# KiCad board reform2-motherboard25.kicad_pcb (continued)
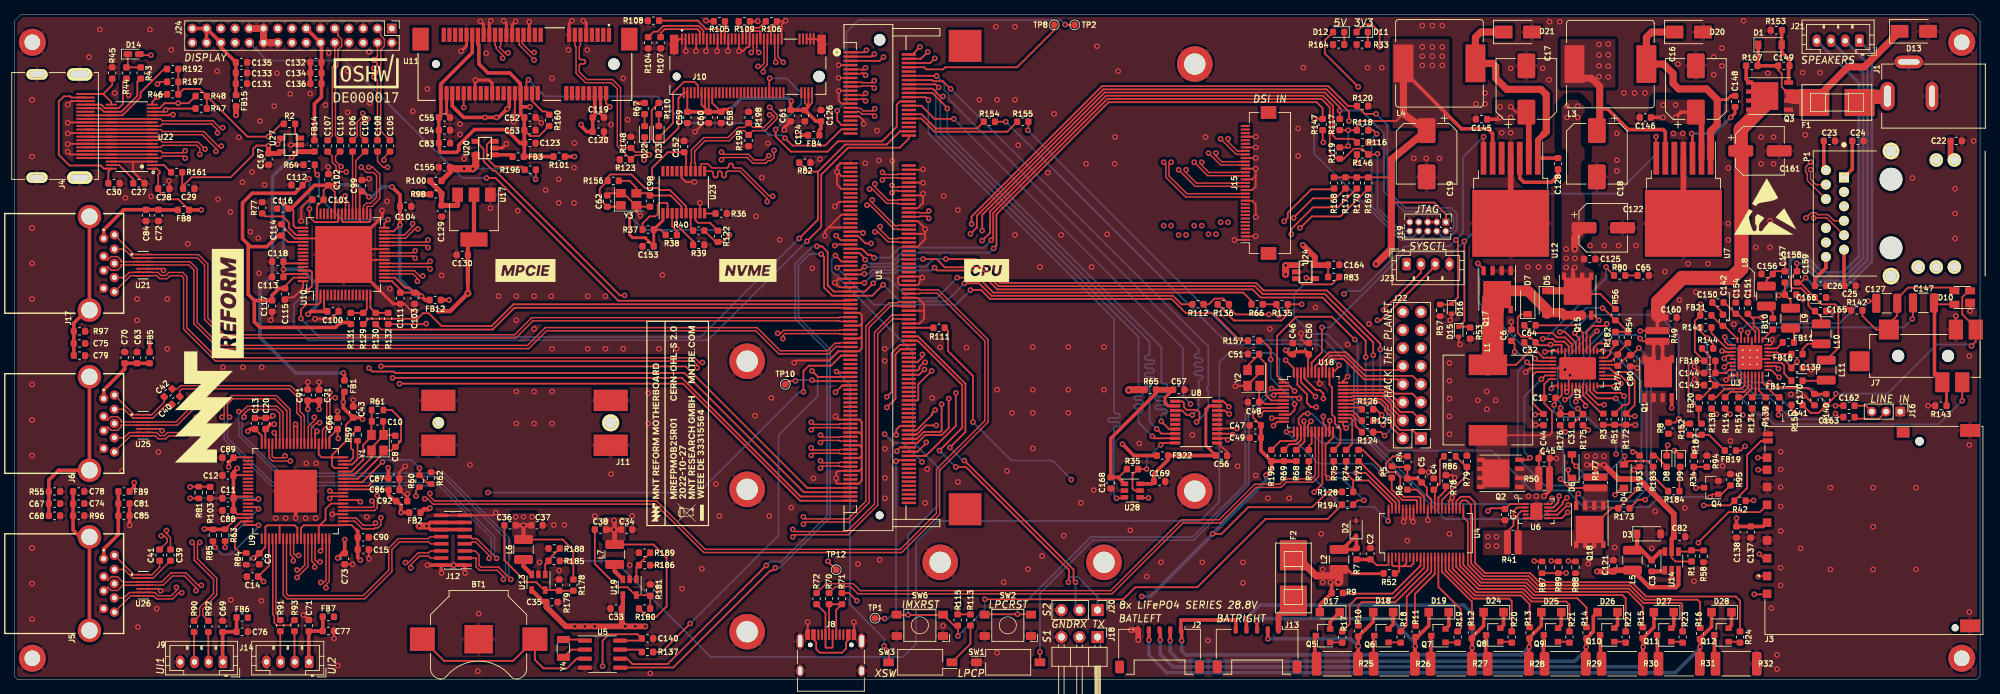
[diagram p0: board, top side]
## Routing (per net, layer and track width the routed paths; a pad name or vN(x,y) marks a point on that pad's centre or on a via; arc(x,y) is an arc through that point) (continued)
/Reform 2 Display/ML0N: length 8.8
  Top w0.2: U10.38 C106.2
/Reform 2 Display/ML0P: length 9.3
  Top w0.2: C109.2 47.95,72.91 47.95,65.5 U10.37
/Reform 2 Display/ML1N: length 14.3
  Top w0.2: v1(51.9,73) 51.9,73.36 C105.2 ; v1(45.73,67.23) 46.15,67.23 46.53,66.86 46.53,66.6 46.5,66.58 U10.40
  Signal.Cu w0.2: v1(45.73,67.23) 45.73,68.33 46.83,69.42 50.22,69.42 51.5,70.7 51.5,72.6 v1(51.9,73)
/Reform 2 Display/ML1P: length 14
  Top w0.2: v1(46.47,67.97) 46.47,67.55 46.97,67.04 46.97,66.6 47,66.58 U10.39 ; C108.2 51,72.83 51.83,72 v1(52.4,72)
  Signal.Cu w0.2: v1(46.47,67.97) 47.47,68.97 50.34,68.97 51.9,70.54 51.9,71.5 v1(52.4,72)
/Reform 2 PCIe/PCICLKGEN_XI: length 11.7
  Top w0.25: U23.5 93.68,66.53 92.16,68.04 C98.1 88.94,68.35 Y3.3 87.35,69.15 86.4,70.1 R156.2
/Reform 2 PCIe/PCICLKGEN_XO: length 21
  Top w0.25: U23.6 94.32,66.53 92.05,68.8 90.6,68.8 90.3,69.1 88.55,69.1 86.65,71 83.71,71 83.31,70.6 R156.1 82.2,68.99 82.2,67.51 C62.1 84.96,66.46 Y3.1
/Reform 2 PCIe/RCLKC_N: length 30.2
  Top w0.2: U23.13 95.62,72.54 95.53,72.64 95.53,74.26 96.99,75.72 100.39,75.72 101.82,77.15 102.49,77.15 R199.2 103.71,77.15 105.42,77.15 107.14,78.87 107.14,79.34 v1(106.05,80.42) ; J10.53 106.75,88.86 106.78,88.84 106.78,87.31 106.93,87.16 v1(106.93,86.75)
  Signal.Cu w0.2: v1(106.93,86.75) 107.22,86.45 107.22,80.24 107.11,80.12 106.35,80.12 v1(106.05,80.42)
/Reform 2 PCIe/RCLKC_P: length 30.2
  Top w0.2: U23.14 94.97,72.54 95.07,72.64 95.07,74.44 96.81,76.17 100.21,76.17 101.63,77.6 102.49,77.6 R198.2 103.71,77.6 105.23,77.6 106.69,79.05 106.69,79.15 106.46,79.37 v1(106.05,79.37) ; v1(107.97,86.75) 107.22,87.5 107.22,88.84 107.25,88.86 J10.55
  Signal.Cu w0.2: v1(106.05,79.37) 106.35,79.67 107.29,79.67 107.68,80.06 107.68,86.45 v1(107.97,86.75)
/Reform 2 Power/BAT1FUSED: length 50.5
  Top w0.25: U6.2 211,24.2 210.5,23.7 210.5,21.7 209.65,20.85 R41.1
  Top w0.4: 187.2,15.5 187.8,14.9 192.21,14.9 R52.2
  Top w0.5: D17.2 183.3,10.54 R9.1 184.96,13.64 ; 183.76,13.64 v1(183.7,13.7)
  Top w1: F2.1 179.91,17.49 182.8,14.6 185.1,14.6 L2.1 ; 186,14.5 185.9,14.6
  Top w1.2: v1(185.9,13.7) 186,13.8 L2.1
  Power.Cu w1.2: v1(208.1,20.1) 201.7,13.7 187.1,13.7
  vias: v1(183.7,15.5) v1(184.8,13.7) v1(206.9,20.1) v1(206.9,18.8) v1(208.1,18.8)
/Reform 2 Power/CHG_INTVCC: length 67.3
  Top w0.25: R184.1 232.2,26.5 230.1,28.6 R183.1 229.29,30.72 226.47,30.72 D4.2 226.1,30.35 v1(226.1,31.4) ; v1(212.4,44.6) 212.75,44.25 U2.34 ; v1(210.65,46.08) 210.65,47.16 C6.2 ; U2.10 221.25,40.5 222.22,39.53 v1(224.85,39.53) ; D6.2 218.7,30.6 v1(219.3,30)
  Bottom w0.25: v1(210.65,46.08) 211.02,46.08 212.4,44.7 v1(212.4,44.6) 211.1,43.3 211.1,31.1 214.9,27.3 218.8,27.3 220.4,28.9 ; 220.4,28.9 223.6,28.9 v1(226.1,31.4) 225.7,31.8 225.7,38.68 v1(224.85,39.53) ; 220.4,28.9 v1(219.3,30)
/Reform 2 Power/Reform 2 LPC/LPC_AD5: length 17.2
  Top w0.25: J22.7 196.32,42.7 189.67,42.7 186.81,45.55 184.81,45.55 183.65,44.39 U18.40
/Reform 2 Power/Reform 2 LPC/LPC_AD7: length 15.3
  Top w0.25: J22.10 194.4,43.5 189.5,43.5 187,46 184.63,46 182.65,44.02 U18.42
/Reform 2 Power/Reform 2 LPC/LPC_MISO0: length 4.3
  Top w0.25: U18.27 187.79,37.25 188.3,36.74 188.3,35.71 R124.1
/Reform 2 Power/Reform 2 LPC/LPC_MISO1a: length 11.6
  Top w0.25: J22.2 193.33,35.53 193.33,36.96 192.43,37.86 192.43,38.27 191.75,38.95 188.22,38.95 188.02,38.75 U18.30
/Reform 2 Power/Reform 2 LPC/LPC_MISO1b: length 6
  Top w0.25: R74.2 187.85,33.14 187.85,36.55 187.65,36.75 U18.26
/Reform 2 Power/Reform 2 LPC/LPC_MOSI0: length 3.2
  Top w0.25: U18.28 187.92,37.75 189.21,36.46 R125.1
/Reform 2 Power/Reform 2 LPC/LPC_MOSI1a: length 33.5
  Top w0.25: U18.17 181.65,35.79 182.05,36.19 v1(182.05,36.32)
  Signal.Cu w0.25: v1(182.05,36.32) 183.86,38.12 184.33,38.12 184.61,38.4 193.61,38.4 194.31,37.7 198.25,37.7 199.13,38.58 199.13,46.71 197.87,47.96 196.14,47.96 J22.14
/Reform 2 Power/Reform 2 LPC/LPC_MOSI1b: length 11.9
  Top w0.25: U18.38 184.65,41.45 185,41.1 185,37.27 185.43,36.85 185.43,35.97 186.2,35.2 186.2,33.24 R75.2
/Reform 2 Power/Reform 2 LPC/LPC_RXDa: length 19.3
  Top w0.25: v1(182.69,39.79) 180.65,41.82 U18.46
  Signal.Cu w0.25: v1(182.69,39.79) 183.25,40.35 188.71,40.35 J22.12
/Reform 2 Power/Reform 2 LPC/LPC_RXDc: length 35.6
  Top w0.25: J23.3 199.5,58.12 191.88,50.5 v1(191.4,50.5) ; U18.11 v1(176.55,36.75)
  Signal.Cu w0.25: v1(191.4,50.5) 191.4,49.4 187.1,45.1 185.35,45.1 181.24,40.98 181.24,38.96 179.02,36.75 v1(176.55,36.75)
/Reform 2 Power/Reform 2 LPC/LPC_SCK0a: length 2.8
  Top w0.25: U18.29 188.96,38.25 R126.1
/Reform 2 Power/Reform 2 LPC/LPC_SCK0b: length 14.3
  Top w0.25: U18.31 187.88,39.25 188.03,39.4 191.94,39.4 192.88,38.45 192.88,38.04 193.78,37.14 193.78,35.88 194.59,35.08 196.32,35.08 J22.1
/Reform 2 Power/Reform 2 LPC/LPC_SCK1b: length 21.6
  Top w0.25: R73.2 189.35,32.29 191.9,29.74 v1(191.9,29.07) ; U18.13 178.64,34.84 v1(178.63,34.82)
  Bottom w0.25: v1(178.63,34.82) 183.1,30.35 190.62,30.35 v1(191.9,29.07)
/Reform 2 Power/Reform 2 LPC/LPC_SCLKa: length 20.6
  Top w0.25: U18.45 181.15,42.35 182.8,40.7 183.3,40.7 183.8,40.2 v1(183.8,39.5)
  Signal.Cu w0.25: v1(183.8,39.5) 191.1,39.5 194.48,42.88 196.32,42.88 J22.9
/Reform 2 Power/Reform 2 LPC/LPC_SCLKc: length 15.2
  Top w0.25: U18.24 185.15,34.03 184.1,32.98 184.1,28.73 v1(184.5,28.33) ; v1(189.5,25.2) 188.59,25.2 R194.2
  Bottom w0.25: v1(189.5,25.2) 186.37,28.33 v1(184.5,28.33)
/Reform 2 Power/Reform 2 LPC/LPC_SSEL0: length 13.9
  Top w0.25: v1(176.4,45) 176.4,46.47 175.22,47.65 R157.1 ; v1(179.75,38.74) 179.75,37.89 179.12,37.25 U18.10
  Bottom w0.25: v1(179.75,38.74) 179.75,39.04 176.4,42.4 v1(176.4,45)
/Reform 2 Power/Reform 2 LPC/LPC_SSEL1: length 2.7
  Top w0.25: R76.2 181.75,32.83 182.15,33.22 U18.18
/Reform 2 Power/Reform 2 LPC/LPC_SWDIO: length 13.7
  Top w0.25: U18.39 184.15,44.25 185,45.1 186.63,45.1 189.53,42.2 194.28,42.2 J22.8
/Reform 2 Power/Reform 2 LPC/LPC_TDI: length 10.2
  Top w0.25: J22.4 194.96,36.6 193.33,38.23 193.33,38.64 192.12,39.85 187.85,39.85 187.75,39.75 U18.32
/Reform 2 Power/Reform 2 LPC/LPC_TDO: length 9.1
  Top w0.25: U18.34 192.61,40.75 194.38,38.98 J22.6
/Reform 2 Power/Reform 2 LPC/LPC_TMS: length 12.8
  Top w0.25: U18.33 187.61,40.25 187.66,40.3 192.31,40.3 193.78,38.82 193.78,38.48 194.65,37.62 196.32,37.62 J22.3
/Reform 2 Power/Reform 2 LPC/LPC_TXDa: length 28.6
  Top w0.25: v1(182.8,38.3) 182.1,38.3 181.5,38.9 181.5,40.1 180.15,41.45 U18.47
  Signal.Cu w0.25: v1(182.8,38.3) 183.07,38.57 184.15,38.57 184.47,38.9 191.14,38.9 192.58,40.34 195.52,40.34 196.2,41.02 196.2,42.12 196.96,42.88 198.06,42.88 198.68,43.5 198.68,45.42 J22.11
/Reform 2 Power/Reform 2 LPC/LPC_TXDc: length 35.8
  Top w0.25: U18.12 177.35,36.25 v1(176.8,35.7) ; J23.2 197.5,57.2 v1(192.25,51.95)
  Signal.Cu w0.25: v1(176.8,35.7) 178.87,35.7 181.84,38.66 181.84,40.44 182.2,40.8 185,40.8 185.58,41.38 185.58,42.52 192.25,49.2 v1(192.25,51.95)
/Reform 2 Power/Reform 2 LPC/LPC_UFTOGG: length 61.3
  Top w0.25: v1(144,3.9) SW1.2 ; U18.4 177.11,40.25 v1(176.83,39.97)
  Bottom w0.25: v1(144,3.9) 144,12.16 151.44,19.6 165.59,19.6 173.3,27.31 173.3,37.01 176.26,39.97 v1(176.83,39.97)
/Reform 2 Power/Reform 2 LPC/LPC_UVBUS: length 5.3
  Top w0.25: U18.14 180.15,33.85 179.85,33.55 177.76,33.55 R195.2
/Reform 2 Power/Reform 2 LPC/LPC_~{RESET}: length 63.2
  Top w0.25: SW2.2 142.7,9.2 v1(140.85,9.2) 136.3,9.2 SW2.2 ; U18.3 176.7,40.75 v1(176.53,40.92)
  Bottom w0.25: v1(140.85,9.2) 140.85,9.77 151.13,20.05 165.4,20.05 172.85,27.5 172.85,37.25 v1(176.53,40.92)
/Reform 2 Power/Reform 2 LPC/LPC_~{TRST}: length 11.9
  Top w0.25: J22.5 196.28,40.2 193.8,40.2 192.75,41.25 U18.35
/Reform 2 Power/Reform 2 LPC/LPC_~{USBCON}: length 34.2
  Top w0.25: v1(183.79,37) 183.79,36.03 184.15,35.68 U18.22
  Signal.Cu w0.25: v1(183.79,37) 183.84,37 184.8,37.95 192.32,37.95 193.78,36.49 193.78,35.88 194.4,35.26 198.06,35.26 200,37.2 200,46.64 J22.13
/Reform 2 Power/Reform 2 LPC/LPCUD_N: length 83.8
  Top w0.2: R72.2 113.96,13.5 117.8,13.5 118.78,12.53 153.96,12.53 163.91,22.47 169.16,22.47 174.16,27.47 177.66,27.47 178.41,28.22 182.16,28.22 182.68,28.74 182.68,34.81 U18.19
/Reform 2 Power/Reform 2 LPC/LPCUD_P: length 82.6
  Top w0.2: U18.20 183.12,34.81 183.12,28.56 182.34,27.78 178.59,27.78 177.84,27.03 174.34,27.03 169.34,22.03 164.09,22.03 154.14,12.08 118.43,12.08 117.4,13.1 115.31,13.1 R70.2
/Reform 2 Power/VREG: length 10.3
  Top w0.25: R6.1 R4.1 195.51,29.9 193.49,29.9 R5.1 ; C5.1 198.33,26.99 198.33,25.97 198.95,25.35 U4.32
  Top w0.5: C5.1 197.03,28.29 R6.1
/Reform 2 USB/USB3_1_SSTXCN: length 9.4
  Top w0.2: C40.2 21.37,38.68 19.47,36.78 19.05,36.78 19.03,36.75 U25.13 18.21,36.75 18.19,36.78 18.01,36.78 17.99,36.75 U25.2 16.87,36.75 16.85,36.78 16.65,36.78 15.42,38 J6.8
/Reform 2 USB/USB3_1_SSTXCP: length 9.7
  Top w0.2: J6.9 16.84,37.22 16.85,37.22 16.87,37.25 U25.1 17.99,37.25 18.01,37.22 18.19,37.22 18.21,37.25 U25.14 19.03,37.25 19.05,37.22 19.28,37.22 21.05,39 C42.2
/Reform 2 USB/USB3_2_SSTXCN: length 9.4
  Top w0.2: J5.8 15.42,15.5 16.62,14.3 16.87,14.3 16.9,14.28 U26.2 18.01,14.28 18.04,14.3 18.21,14.3 18.24,14.28 U26.13 19.05,14.28 19.08,14.3 19.51,14.3 C39.2
/Reform 2 USB/USB3_2_SSTXCP: length 8.9
  Top w0.2: C41.2 20.41,15.84 19.32,14.75 19.08,14.75 19.05,14.78 U26.14 18.24,14.78 18.21,14.75 18.04,14.75 18.01,14.78 U26.1 16.9,14.78 16.87,14.75 16.81,14.75 J5.9
AUX_PWR_EN: length 178.3
  Top w0.25: U18.23 184.65,36.35 v1(184.7,36.4) ; U27.4 37.5,75.75 v1(37,75.25)
  Signal.Cu w0.25: v1(37,75.25) 37,72.1 66.65,42.45 93.91,42.45 98.26,38.1 118.6,38.1 v1(122.2,34.5) ; v1(184.7,36.4) 182,33.7 177.2,33.7 170.95,39.95 162.44,39.95 161.49,39 138.8,39 130.4,30.6 v1(127.45,30.6)
  Bottom w0.25: v1(122.2,34.5) 123.4,33.3 124.75,33.3 v1(127.45,30.6)
BACKLIGHT_EN: length 99.5
  Top w0.25: U1.105 117.3,53.25 84.82,53.25 67.57,70.5 v1(66.3,70.5)
  Bottom w0.25: J24.22 35.5,87 46.43,87 62.93,70.5 v1(66.3,70.5)
BACKLIGHT_PWM: length 126.5
  Top w0.25: v1(123.85,34.4) 123.85,35.15 124.35,35.65 U1.164
  Signal.Cu w0.25: v1(123.85,34.4) 119.6,38.65 98.35,38.65 94,43 67,43 38,72 38,81 32,87 32,90.5 J24.23
BAT1+: length 5
  Top w0.8: 177.5,7 177.5,9.01 F2.2
BAT2+: length 22.5
  Top w0.5: D18.2 190.8,8.16 R10.1 v1(188.7,4.7) 188.7,3.97 188.65,3.93 R25.1 ; 176,7 v1(176,5.75)
  Bottom w0.5: v1(176,5.75) 187.65,5.75 v1(188.7,4.7)
BAT3+: length 33.6
  Top w0.5: v1(174.5,8.2) 174.5,7 ; D19.2 198.6,7.6 197.01,6.01 R11.1 196.7,5.96 v1(196.7,4.7) 196.7,4.2 196.65,4.15 R26.1
  Bottom w0.5: v1(174.5,8.2) 174.9,8.6 193.2,8.6 196.7,5.1 v1(196.7,4.7)
BAT4+: length 47.4
  Top w0.5: v1(173,8.6) 173,7 ; D24.2 206.3,7.58 204.65,5.93 R12.1 204.7,5.76 v1(204.7,4.5) 204.65,4.45 R27.1
  Bottom w0.5: v1(173,8.6) 174.9,10.5 203.5,10.5 204.7,9.3 v1(204.7,4.5)
BAT5+: length 70.9
  Top w0.5: v1(163.9,5.5) 163.9,6.89 163.8,7 163.8,8.4 171.5,8.4 171.5,7 ; R28.1 212.65,4.55 v1(212.7,4.6) 212.75,4.65 R13.1 212.75,5.93 214.4,7.58 D25.2
  Bottom w0.5: v1(212.7,4.6) 211.6,3.5 164.5,3.5 163.9,4.1 v1(163.9,5.5)
BAT6+: length 71
  Top w0.5: v1(162.3,5.5) 162.3,7 ; D26.2 221.7,8.9 221.7,6.76 R14.1 220.7,5.76 v1(220.7,4.6) 220.65,4.55 R29.1
  Bottom w0.5: v1(220.7,4.6) 220.7,4.2 219.1,2.6 163.6,2.6 162.3,3.9 v1(162.3,5.5)
BAT7+: length 82.3
  Top w0.5: D27.2 230.2,7.36 R15.1 228.7,5.76 v1(228.7,4.6) 228.65,4.55 R30.1 ; v1(160.9,5.6) 160.9,6.89 160.8,7
  Bottom w0.5: v1(228.7,4.6) 228.7,2.45 228.05,1.8 162.7,1.8 160.9,3.6 v1(160.9,5.6)
BAT8+: length 91.4
  Top w0.5: D28.2 238.3,7.45 236.7,5.85 R16.1 v1(236.7,4.6) 236.7,4.45 236.65,4.4 R31.1 ; v1(159.3,5.6) 159.3,7
  Bottom w0.5: v1(236.7,4.6) 236.7,4.45 233.25,1 161.8,1 159.3,3.5 v1(159.3,5.6)
BMON_CS: length 17.4
  Top w0.25: R76.1 181.75,29.12 v1(181.7,29.07) ; v1(192.9,22.3) 192.95,22.35 U4.44
  Bottom w0.25: v1(181.7,29.07) 186.47,24.3 190.9,24.3 v1(192.9,22.3)
BMON_SCK: length 9.1
  Top w0.25: U4.41 194.45,25.06 188.8,30.71 R73.1
BMON_SDI: length 12.9
  Top w0.25: U4.42 193.95,24.85 189.73,29.07 v1(188.4,29.07) ; v1(185.3,29.07) 185.25,29.12 R75.1
  Bottom w0.25: v1(185.3,29.07) v1(188.4,29.07)
BMON_SDO: length 12.7
  Top w0.25: U4.43 193.45,24.71 190.16,28 188,28 187.7,28.3 ; 187.7,28.3 187,29 R74.1 ; 187.7,28.3 187.99,28.01 R128.1
BOOTCFG_4: length 78.6
  Top w0.25: U1.152 126.85,39.25 126.93,39.33 126.93,41.53 v1(128.8,43.4) ; R169.1 186.18,65.09 182.19,65.09 180.59,63.5 v1(180.5,63.5)
  Signal.Cu w0.25: v1(128.8,43.4) 130,44.6 160.41,44.6 177.61,61.8 179.57,61.8 180.5,62.73 v1(180.5,63.5)
BOOTCFG_10: length 70.4
  Top w0.25: R168.2 185.19,68.91 182.1,68.91 178.8,65.6 178.8,64.9 v1(178.3,64.4) ; v1(127.5,45.7) 127.5,45.3 126.85,44.65 U1.134
  Signal.Cu w0.25: v1(178.3,64.4) 159.85,45.95 127.75,45.95 v1(127.5,45.7)
BOOTCFG_12: length 72.4
  Top w0.25: R171.1 185.52,67.64 182.34,67.64 179.63,64.93 v1(179.63,64.87) ; v1(127.9,44.6) 127.73,44.6 127.07,43.95 127.07,43.67 126.85,43.45 U1.138
  Signal.Cu w0.25: v1(179.63,64.87) 179.63,64.31 178.73,63.41 177.95,63.41 160.04,45.5 128.8,45.5 v1(127.9,44.6)
BOOTCFG_13: length 74.2
  Top w0.25: R170.1 185.85,66.36 182.34,66.36 179.3,63.33 v1(179.3,62.6) ; v1(127.8,43.6) 127.05,42.85 U1.140
  Signal.Cu w0.25: v1(127.8,43.6) 127.93,43.6 129.38,45.05 160.22,45.05 177.77,62.6 v1(179.3,62.6)
CHG_RNG: length 90.4
  Top w0.25: U18.1 177.3,42.69 177.3,48.3 180,51 185,51 v1(188.2,47.8) ; R95.2 239.69,26.05 Q4.1 238.45,26.05 v1(238.1,25.7)
  Bottom w0.25: v1(188.2,47.8) 188.6,47.4 188.6,36.5 192.9,32.2 207.45,32.2 213.05,26.6 218,26.6 220.35,24.25 229.5,24.25 230.95,25.7 v1(238.1,25.7)
CHG_STAT1: length 16.9
  Top w0.25: D8.1 232,32.8 v1(232.15,32.95) ; U2.12 224.47,41.31 v1(224.61,41.17)
  Signal.Cu w0.25: v1(232.15,32.95) 231.3,33.8 231.3,37.15 227.68,40.77 225.01,40.77 v1(224.61,41.17)
CHG_STAT2: length 18
  Top w0.25: v1(225.55,41.62) 224.93,42.25 U2.13 ; v1(233.1,32.2) 233.19,32.2 D9.1
  Signal.Cu w0.25: v1(225.55,41.62) 228.01,41.62 232.08,37.56 232.08,34.17 233.1,33.15 v1(233.1,32.2)
CHGBAT: length 37.6
  Top w0.25: v1(223.1,46.25) 223.04,46.19 U2.20 ; Q18.5 221.25,21.11 224.24,24.1 R173.2 227.75,26.64 v1(227.75,26.75) ; U6.3 211.6,23.7 211.1,23.2 211.1,19.35 R41.2
  Bottom w0.25: v1(227.75,26.75) 228.45,27.45 228.45,41.89 224.09,46.25 v1(223.1,46.25)
DAC_BCLK: length 144.5
  Top w0.25: v1(130.2,38.7) 130.2,35.01 130.01,34.83 127.72,34.83 126.74,33.85 U1.170 ; R114.1 240.2,38 v1(240.9,37.3)
  Signal.Cu w0.25: v1(130.2,38.7) 130.2,41.71 131.94,43.45 169.59,43.45 169.94,43.8 175.79,43.8 175.99,43.6 179.84,43.6 191.84,55.6 229.45,55.6 235.9,49.15 235.9,48.1 237.15,46.85 237.15,36.95 238,36.1 239.7,36.1 v1(240.9,37.3)
DAC_DIN: length 146.8
  Top w0.25: U1.166 126.67,35.05 128.9,37.28 128.9,37.5 v1(129.3,37.9) ; v1(247.7,37.2) 247.8,37.3 R150.1
  Signal.Cu w0.25: v1(247.7,37.2) 247.6,37.1 245.34,37.1 242.99,34.75 237.44,34.75 234.55,37.64 234.55,48.59 228.89,54.25 192.4,54.25 180.4,42.25 175.43,42.25 175.23,42.45 170.5,42.45 170.15,42.1 135.57,42.1 131.37,37.9 v1(129.3,37.9)
DAC_DOUT: length 147.3
  Top w0.25: U1.178 127.97,31.45 132.2,35.68 v1(132.2,40.3) ; R121.1 244,37 v1(243.7,36.7)
  Signal.Cu w0.25: v1(243.7,36.7) 242.2,35.2 237.63,35.2 235,37.83 235,48.77 229.07,54.7 192.21,54.7 180.21,42.7 175.62,42.7 175.42,42.9 170.31,42.9 169.96,42.55 134.45,42.55 v1(132.2,40.3)
DAC_MCLK: length 141.9
  Top w0.25: U1.176 126.85,32.05 128.05,33.25 v1(128.05,33.35) ; R138.2 238.3,38 v1(239,37.3)
  Signal.Cu w0.25: v1(128.05,33.35) 128.05,40.2 131.75,43.9 169.4,43.9 169.75,44.25 175.98,44.25 176.18,44.05 179.65,44.05 191.65,56.05 229.63,56.05 236.35,49.33 236.35,48.29 238.3,46.34 238.3,38 v1(239,37.3)
DAC_RXFS: length 145.7
  Top w0.25: U1.168 126.7,34.45 127.99,35.74 v1(129.45,35.74) ; R139.1 245.9,36.2 v1(245.7,36)
  Signal.Cu w0.25: v1(245.7,36) 244,34.3 237.25,34.3 234.1,37.45 234.1,48.4 228.7,53.8 192.58,53.8 180.58,41.8 175.24,41.8 175.04,42 170.68,42 170.33,41.65 135.93,41.65 130.01,35.74 v1(129.45,35.74)
DAC_SCL: length 150.7
  Top w0.25: v1(112.7,60.9) 113.4,60.9 114.2,60.1 114.2,55.4 115.05,54.55 U1.101 119.45,54.55 v1(120.6,55.7) ; 85.08,2.97 86.03,2.97 86.8,2.2 91.73,2.2 v1(105.59,16.06) ; v1(132.4,56.5) 135.36,56.5 137.46,54.4 172.54,54.4 173.71,53.22 R66.1
  Bottom w0.25: v1(120.6,55.7) 121.3,56.4 122.77,56.4 125.57,53.6 129.5,53.6 v1(132.4,56.5) ; v1(105.59,16.06) 106.13,16.6 107.7,16.6 114.1,23 114.1,46.26 109.65,50.71 109.65,58.42 112.13,60.9 v1(112.7,60.9)
DAC_SDA: length 140.3
  Top w0.25: v1(122,55.5) 120.45,53.95 U1.103 114.85,53.95 113.7,55.1 113.7,59.4 v1(113.3,59.8) ; R112.1 163.89,52.75 162.69,53.95 137.22,53.95 135.47,55.7 v1(133.4,55.7) ; 85.08,1.69 86.05,1.69 86.08,1.73 92.53,1.73 106.14,15.34 106.46,15.34 v1(106.86,15.74)
  Bottom w0.25: v1(133.4,55.7) 130.85,53.15 124.35,53.15 v1(122,55.5) ; v1(113.3,59.8) 111.7,59.8 110.1,58.2 110.1,50.9 114.55,46.45 114.55,22.81 107.47,15.74 v1(106.86,15.74)
DAC_TXFS: length 146.6
  Top w0.25: R151.1 242.1,37.8 v1(242.7,37.2) ; v1(131.2,39.5) 131.2,35.38 130.2,34.38 127.9,34.38 126.78,33.25 U1.172
  Signal.Cu w0.25: v1(242.7,37.2) 241.15,35.65 237.81,35.65 236.7,36.76 236.7,46.67 235.45,47.92 235.45,48.96 229.26,55.15 192.02,55.15 180.02,43.15 175.8,43.15 175.6,43.35 170.12,43.35 169.77,43 132.13,43 131.2,42.07 v1(131.2,39.5)
DSI_CLK_N: length 161.5
  Top w0.2: v1(165.68,72.7) 167.55,70.83 171.85,70.83 171.87,70.8 J15.19 ; v1(56.3,60.28) 56,59.97 53.1,59.97 53.08,60 U10.25
  Signal.Cu w0.2: v1(165.68,63.8) 165.97,63.5 165.97,61.88 165.97,61.81 165.95,61.74 165.91,61.69 165.86,61.64 165.81,61.6 165.74,61.58 165.68,61.58 165.32,61.58 165.25,61.57 165.19,61.55 165.13,61.51 165.08,61.46 165.05,61.41 165.03,61.34 165.02,61.28 165.03,61.21 165.05,61.14 165.08,61.09 165.13,61.04 165.19,61 165.25,60.98 165.32,60.97 165.68,60.97 165.74,60.97 165.81,60.95 165.86,60.91 165.91,60.86 165.95,60.81 165.97,60.74 165.97,60.67 165.97,59.09 165.96,59.08 165.94,59.07 165.92,59.07 165.9,59.07 165.88,59.07 165.86,59.08 165.85,59.09 165.66,59.27 165.57,59.35 165.47,59.4 165.36,59.42 165.25,59.42 165.13,59.4 165.03,59.35 164.94,59.27 164.74,59.08 164.67,58.99 164.62,58.88 164.6,58.77 164.6,58.66 164.62,58.55 164.67,58.44 164.74,58.36 165.15,57.95 165.14,57.94 165.51,57.58 165.52,57.57 165.53,57.55 165.53,57.54 165.53,57.52 165.53,57.51 165.52,57.5 165.51,57.48 165.32,57.3 165.31,57.29 165.3,57.28 165.28,57.28 165.27,57.28 165.25,57.28 165.24,57.29 165.23,57.3 164.46,58.07 164.37,58.14 164.26,58.19 164.15,58.21 164.04,58.21 163.93,58.19 163.82,58.14 163.73,58.07 163.54,57.87 163.47,57.78 163.42,57.68 163.39,57.57 163.39,57.45 163.42,57.34 163.47,57.24 163.54,57.15 164.31,56.38 164.32,56.37 164.32,56.35 164.33,56.34 164.33,56.32 164.32,56.31 164.32,56.29 164.31,56.28 164.12,56.09 164.11,56.08 164.09,56.08 164.08,56.07 164.06,56.07 164.05,56.08 164.04,56.08 164.02,56.09 163.25,56.86 163.16,56.94 163.06,56.99 162.95,57.01 162.84,57.01 162.72,56.99 162.62,56.94 162.53,56.86 162.33,56.67 162.26,56.58 162.21,56.47 162.19,56.36 162.19,56.25 162.21,56.14 162.26,56.03 162.33,55.95 163.11,55.17 163.11,55.16 163.12,55.15 163.12,55.13 163.12,55.12 163.12,55.11 163.11,55.09 163.11,55.08 162.92,54.89 162.91,54.88 162.89,54.88 162.88,54.87 162.86,54.87 162.85,54.88 162.83,54.88 162.82,54.89 162.05,55.66 161.96,55.73 161.86,55.78 161.75,55.81 161.63,55.81 161.52,55.78 161.42,55.73 161.33,55.66 161.13,55.46 161.06,55.38 161.01,55.27 160.99,55.16 160.99,55.05 161.01,54.94 161.06,54.83 161.13,54.74 161.9,53.97 161.91,53.96 161.92,53.95 161.92,53.93 161.92,53.92 161.92,53.9 161.91,53.89 161.9,53.88 161.71,53.69 161.7,53.68 161.69,53.67 161.67,53.67 161.66,53.67 161.65,53.67 161.63,53.68 161.62,53.69 160.85,54.46 160.76,54.53 160.66,54.58 160.55,54.61 160.43,54.61 160.32,54.58 160.22,54.53 160.13,54.46 159.93,54.26 159.86,54.17 159.81,54.07 159.78,53.96 159.78,53.84 159.81,53.73 159.86,53.63 159.93,53.54 160.7,52.77 160.71,52.76 160.72,52.75 160.72,52.73 160.72,52.72 160.72,52.7 160.71,52.69 160.7,52.68 160.51,52.49 160.5,52.48 160.49,52.47 160.47,52.47 160.46,52.47 160.44,52.47 160.43,52.48 160.42,52.49 159.65,53.26 159.56,53.33 159.46,53.38 159.34,53.4 159.23,53.4 159.12,53.38 159.02,53.33 158.93,53.26 158.73,53.06 158.66,52.97 158.61,52.87 158.58,52.76 158.58,52.64 158.61,52.53 158.66,52.43 158.73,52.34 159.5,51.57 159.51,51.56 159.51,51.54 159.52,51.53 159.52,51.51 159.51,51.5 159.51,51.49 159.5,51.47 159.31,51.29 159.3,51.28 159.29,51.27 159.27,51.27 159.26,51.27 159.24,51.27 159.23,51.28 159.22,51.29 159.04,51.47 158.95,51.53 158.85,51.58 158.75,51.61 158.64,51.61 158.53,51.58 158.43,51.53 158.35,51.47 157.81,50.92 112.34,50.92 103.29,59.97 56.6,59.97 v1(56.3,60.28)
  Power.Cu w0.2: v1(165.68,63.8) 165.97,64.1 165.97,72.4 v1(165.68,72.7)
DSI_CLK_P: length 159.9
  Top w0.2: v1(56.3,59.22) 56,59.53 53.1,59.53 53.08,59.5 U10.24 ; J15.20 171.87,71.3 171.85,71.28 167.74,71.28 166.72,72.29 v1(166.72,72.7)
  Signal.Cu w0.2: v1(166.72,63.8) 166.43,63.5 166.43,58.91 166.27,58.75 166.18,58.68 166.08,58.63 165.97,58.61 165.85,58.61 165.74,58.63 165.64,58.68 165.55,58.75 165.37,58.93 165.35,58.95 165.33,58.96 165.31,58.96 165.29,58.96 165.27,58.96 165.25,58.95 165.24,58.93 165.09,58.78 165.07,58.76 165.06,58.75 165.06,58.73 165.06,58.71 165.06,58.69 165.07,58.67 165.09,58.65 165.47,58.27 165.46,58.26 165.85,57.88 165.92,57.79 165.96,57.69 165.99,57.59 165.99,57.48 165.96,57.37 165.92,57.27 165.85,57.19 165.62,56.96 165.53,56.89 165.43,56.84 165.33,56.82 165.22,56.82 165.11,56.84 165.01,56.89 164.93,56.96 164.16,57.73 164.14,57.74 164.13,57.75 164.11,57.75 164.09,57.75 164.07,57.75 164.05,57.74 164.03,57.73 163.88,57.57 163.86,57.56 163.86,57.54 163.85,57.52 163.85,57.5 163.86,57.48 163.86,57.46 163.88,57.44 164.65,56.67 164.71,56.59 164.76,56.49 164.79,56.38 164.79,56.28 164.76,56.17 164.71,56.07 164.65,55.99 164.42,55.75 164.33,55.69 164.23,55.64 164.13,55.62 164.02,55.62 163.91,55.64 163.81,55.69 163.73,55.75 162.96,56.52 162.94,56.54 162.92,56.55 162.9,56.55 162.88,56.55 162.86,56.55 162.84,56.54 162.83,56.52 162.68,56.37 162.66,56.35 162.65,56.34 162.65,56.32 162.65,56.3 162.65,56.28 162.66,56.26 162.68,56.24 163.44,55.47 163.51,55.39 163.56,55.29 163.58,55.18 163.58,55.07 163.56,54.97 163.51,54.87 163.44,54.78 163.21,54.55 163.13,54.48 163.03,54.44 162.92,54.41 162.82,54.41 162.71,54.44 162.61,54.48 162.53,54.55 161.76,55.32 161.74,55.33 161.72,55.34 161.7,55.35 161.68,55.35 161.66,55.34 161.64,55.33 161.63,55.32 161.47,55.17 161.46,55.15 161.45,55.13 161.45,55.11 161.45,55.09 161.45,55.07 161.46,55.06 161.47,55.04 162.24,54.27 162.31,54.18 162.36,54.09 162.38,53.98 162.38,53.87 162.36,53.76 162.31,53.67 162.24,53.58 162.01,53.35 161.93,53.28 161.83,53.24 161.72,53.21 161.61,53.21 161.51,53.24 161.41,53.28 161.32,53.35 160.55,54.12 160.54,54.13 160.52,54.14 160.5,54.15 160.48,54.15 160.46,54.14 160.44,54.13 160.42,54.12 160.27,53.97 160.26,53.95 160.25,53.93 160.24,53.91 160.24,53.89 160.25,53.87 160.26,53.85 160.27,53.84 161.04,53.07 161.11,52.98 161.16,52.88 161.18,52.78 161.18,52.67 161.16,52.56 161.11,52.46 161.04,52.38 160.81,52.15 160.72,52.08 160.63,52.03 160.52,52.01 160.41,52.01 160.3,52.03 160.21,52.08 160.12,52.15 159.35,52.92 159.34,52.93 159.32,52.94 159.3,52.94 159.28,52.94 159.26,52.94 159.24,52.93 159.22,52.92 159.07,52.76 159.06,52.75 159.05,52.73 159.04,52.71 159.04,52.69 159.05,52.67 159.06,52.65 159.07,52.63 159.84,51.87 159.91,51.78 159.95,51.68 159.98,51.58 159.98,51.47 159.95,51.36 159.91,51.26 159.84,51.18 159.61,50.95 159.52,50.88 159.42,50.83 159.32,50.81 159.21,50.81 159.1,50.83 159,50.88 158.92,50.95 158.74,51.13 158.73,51.14 158.71,51.14 158.7,51.15 158.68,51.15 158.67,51.14 158.66,51.14 158.64,51.13 157.99,50.47 112.16,50.47 103.11,59.53 56.6,59.53 v1(56.3,59.22)
  Power.Cu w0.2: v1(166.72,72.7) 166.43,72.4 166.43,64.1 v1(166.72,63.8)
DSI_D0_N: length 155.3
  Top w0.2: J15.25 171.87,73.8 171.85,73.83 171.55,73.83 v1(169.38,76) ; U10.20 53.08,57.5 53.1,57.47 56.17,57.47 56.92,56.72 v1(57.34,56.72)
  Signal.Cu w0.2: v1(57.34,56.72) 57.34,56.3 57.92,55.72 84.97,55.72 85.04,55.73 85.11,55.75 85.16,55.79 85.21,55.84 85.25,55.89 85.27,55.96 85.28,56.03 85.28,56.06 85.28,56.12 85.3,56.19 85.34,56.24 85.39,56.29 85.44,56.33 85.51,56.35 85.58,56.36 85.64,56.35 85.71,56.33 85.76,56.29 85.81,56.24 85.85,56.19 85.87,56.12 85.88,56.06 85.88,56.03 85.88,55.96 85.9,55.89 85.94,55.84 85.99,55.79 86.04,55.75 86.11,55.73 86.17,55.72 86.24,55.73 86.31,55.75 86.36,55.79 86.41,55.84 86.45,55.89 86.47,55.96 86.47,56.03 86.47,56.06 86.48,56.12 86.5,56.19 86.54,56.24 86.59,56.29 86.64,56.33 86.71,56.35 86.78,56.36 86.84,56.35 86.91,56.33 86.96,56.29 87.01,56.24 87.05,56.19 87.07,56.12 87.08,56.06 87.08,56.03 87.08,55.96 87.1,55.89 87.14,55.84 87.19,55.79 87.24,55.75 87.31,55.73 87.38,55.72 93.18,55.72 93.23,55.73 93.28,55.75 93.33,55.78 93.37,55.82 93.4,55.87 93.42,55.92 93.43,55.97 93.43,56.29 93.44,56.44 93.49,56.58 93.57,56.7 93.67,56.8 93.8,56.88 93.94,56.93 94.08,56.95 94.17,56.95 94.31,56.93 94.45,56.88 94.58,56.8 94.68,56.7 94.76,56.58 94.81,56.44 94.82,56.29 94.82,55.97 94.83,55.92 94.85,55.87 94.88,55.82 94.92,55.78 94.97,55.75 95.02,55.73 95.07,55.72 95.13,55.73 95.18,55.75 95.23,55.78 95.27,55.82 95.3,55.87 95.32,55.92 95.32,55.97 95.32,56.29 95.34,56.44 95.39,56.58 95.47,56.7 95.57,56.8 95.7,56.88 95.84,56.93 95.98,56.95 96.07,56.95 96.21,56.93 96.35,56.88 96.48,56.8 96.58,56.7 96.66,56.58 96.71,56.44 96.72,56.29 96.72,55.97 96.73,55.92 96.75,55.87 96.78,55.82 96.82,55.78 96.87,55.75 96.92,55.73 96.97,55.72 97.03,55.73 97.08,55.75 97.13,55.78 97.17,55.82 97.2,55.87 97.22,55.92 97.22,55.97 97.22,56.29 97.24,56.44 97.29,56.58 97.37,56.7 97.47,56.8 97.6,56.88 97.74,56.93 97.88,56.95 97.97,56.95 98.11,56.93 98.25,56.88 98.38,56.8 98.48,56.7 98.56,56.58 98.61,56.44 98.62,56.29 98.62,55.97 98.63,55.92 98.65,55.87 98.68,55.82 98.72,55.78 98.77,55.75 98.82,55.73 98.88,55.72 103.19,55.72 110.99,47.92 159.51,47.92 169.68,58.09 169.67,63.97 v1(169.38,64.27)
  Power.Cu w0.2: v1(169.38,64.27) 169.67,64.57 169.67,75.7 v1(169.38,76)
DSI_D0_P: length 153.6
  Top w0.2: v1(170.43,76) 170.43,75.59 171.74,74.28 171.85,74.28 171.87,74.3 J15.26 ; U10.19 53.08,57 53.1,57.03 55.98,57.03 56.6,56.4 v1(56.6,55.98)
  Signal.Cu w0.2: v1(56.6,55.98) 57.03,55.98 57.73,55.28 93.22,55.28 93.36,55.29 93.5,55.34 93.63,55.42 93.73,55.52 93.81,55.65 93.86,55.79 93.88,55.93 93.88,56.25 93.88,56.3 93.9,56.36 93.93,56.4 93.97,56.44 94.02,56.47 94.07,56.49 94.12,56.5 94.18,56.49 94.23,56.47 94.28,56.44 94.32,56.4 94.35,56.36 94.37,56.3 94.38,56.25 94.38,55.93 94.39,55.79 94.44,55.65 94.52,55.52 94.62,55.42 94.75,55.34 94.89,55.29 95.03,55.28 95.12,55.28 95.26,55.29 95.4,55.34 95.53,55.42 95.63,55.52 95.71,55.65 95.76,55.79 95.78,55.93 95.78,56.25 95.78,56.3 95.8,56.36 95.83,56.4 95.87,56.44 95.92,56.47 95.97,56.49 96.03,56.5 96.08,56.49 96.13,56.47 96.18,56.44 96.22,56.4 96.25,56.36 96.27,56.3 96.28,56.25 96.28,55.93 96.29,55.79 96.34,55.65 96.42,55.52 96.52,55.42 96.65,55.34 96.79,55.29 96.93,55.28 97.02,55.28 97.16,55.29 97.3,55.34 97.43,55.42 97.53,55.52 97.61,55.65 97.66,55.79 97.68,55.93 97.68,56.25 97.68,56.3 97.7,56.36 97.73,56.4 97.77,56.44 97.82,56.47 97.87,56.49 97.93,56.5 97.98,56.49 98.03,56.47 98.08,56.44 98.12,56.4 98.15,56.36 98.17,56.3 98.18,56.25 98.18,55.93 98.19,55.79 98.24,55.65 98.32,55.52 98.42,55.42 98.55,55.34 98.69,55.29 98.83,55.28 103.01,55.28 110.81,47.47 159.69,47.47 170.12,57.91 170.13,63.97 v1(170.43,64.27)